# KiCad board main.kicad_pcb (continued)
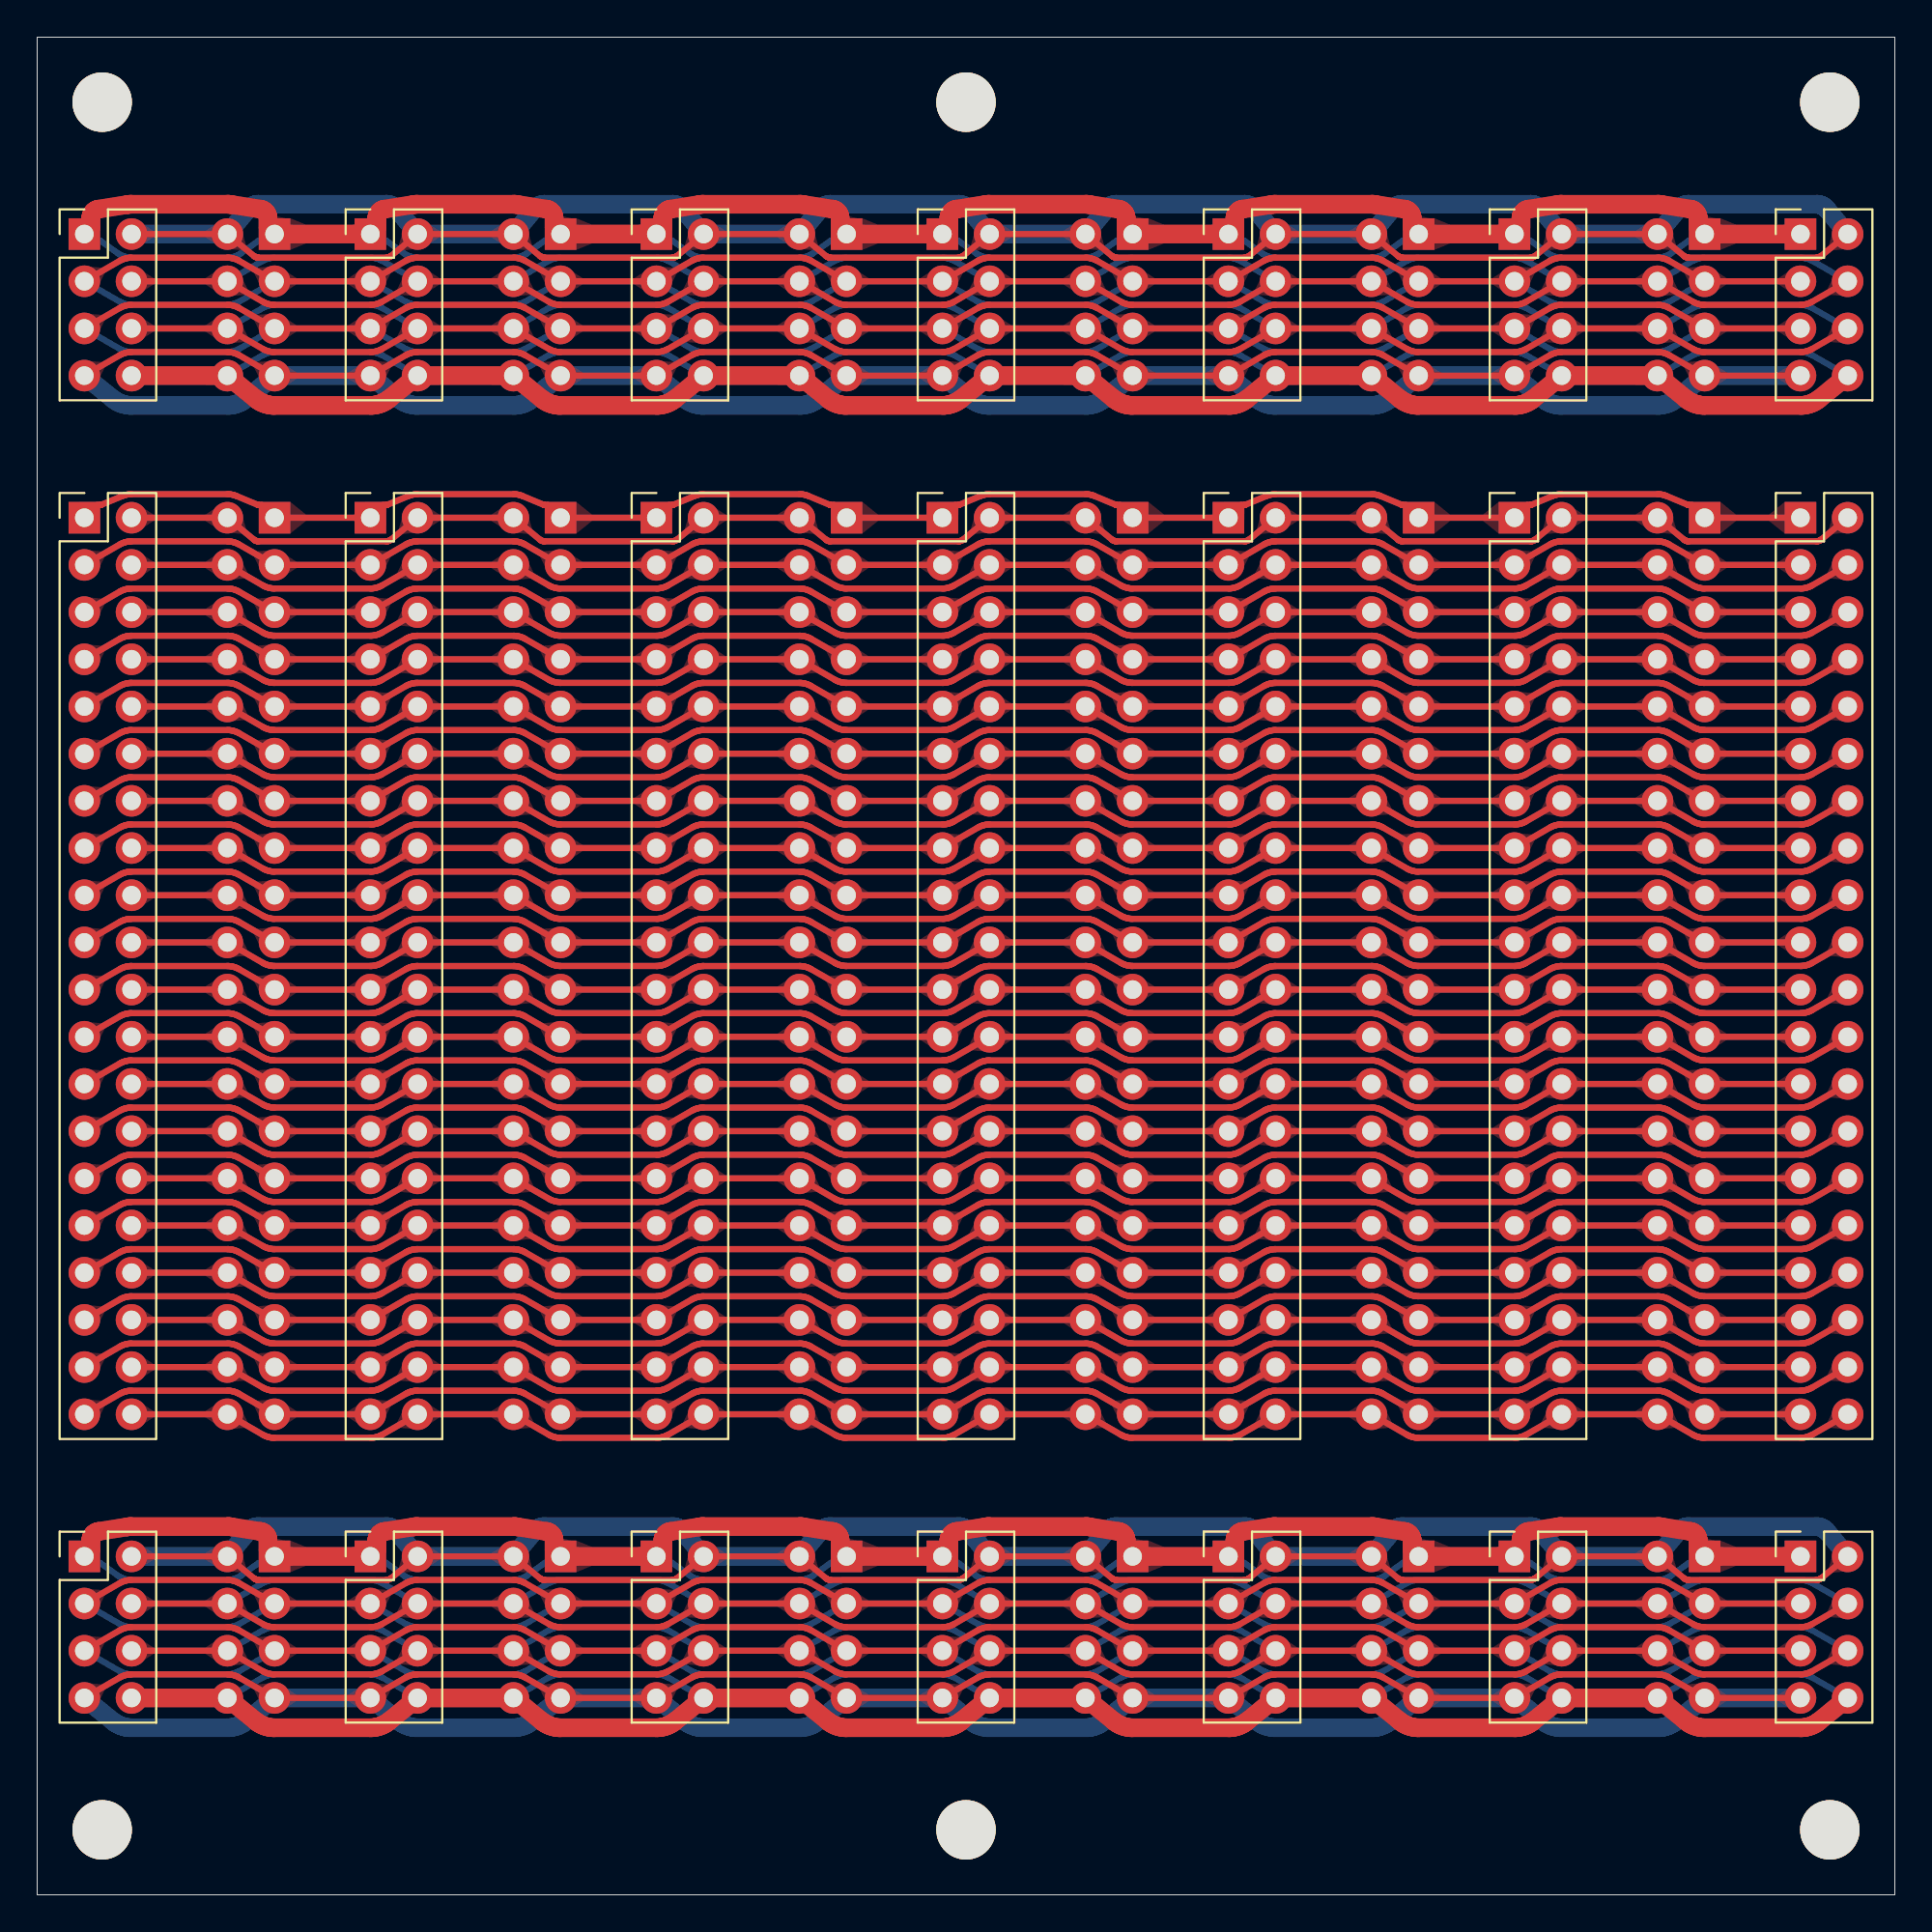
[diagram p0: board, top side]
## Routing (per net, layer and track width the routed paths; a pad name or vN(x,y) marks a point on that pad's centre or on a via; arc(x,y) is an arc through that point) (continued)
F_A9: length 192.5
  Top w0.33: J29.18 95.55,52.71 95.5,52.68 95.45,52.66 95.39,52.63 95.34,52.61 95.28,52.59 95.22,52.58 95.16,52.56 95.1,52.55 95.04,52.55 94.98,52.54 94.92,52.54 89.76,52.54 89.7,52.54 89.64,52.55 89.58,52.55 89.52,52.56 89.46,52.58 89.4,52.59 89.35,52.61 89.29,52.63 89.23,52.66 89.18,52.68 89.13,52.71 J10.18 J30.18 80.16,52.71 80.1,52.68 80.05,52.66 79.99,52.63 79.94,52.61 79.88,52.59 79.82,52.58 79.76,52.56 79.7,52.55 79.64,52.55 79.58,52.54 79.52,52.54 74.36,52.54 74.3,52.54 74.24,52.55 74.18,52.55 74.12,52.56 74.07,52.58 74.01,52.59 73.95,52.61 73.89,52.63 73.84,52.66 73.78,52.68 73.73,52.71 J38.18 J25.18 64.76,52.71 64.71,52.68 64.65,52.66 64.6,52.63 64.54,52.61 64.48,52.59 64.43,52.58 64.37,52.56 64.31,52.55 64.25,52.55 64.19,52.54 64.13,52.54 58.97,52.54 58.91,52.54 58.85,52.55 58.79,52.55 58.73,52.56 58.67,52.58 58.61,52.59 58.55,52.61 58.5,52.63 58.44,52.66 58.39,52.68 58.33,52.71 J27.18 J11.18 49.36,52.71 49.31,52.68 49.26,52.66 49.2,52.63 49.15,52.61 49.09,52.59 49.03,52.58 48.97,52.56 48.91,52.55 48.85,52.55 48.79,52.54 48.73,52.54 43.57,52.54 43.51,52.54 43.45,52.55 43.39,52.55 43.33,52.56 43.27,52.58 43.21,52.59 43.16,52.61 43.1,52.63 43.04,52.66 42.99,52.68 42.94,52.71 J28.18 J13.18 33.97,52.71 33.91,52.68 33.86,52.66 33.8,52.63 33.75,52.61 33.69,52.59 33.63,52.58 33.57,52.56 33.51,52.55 33.45,52.55 33.39,52.54 33.33,52.54 28.17,52.54 28.11,52.54 28.05,52.55 27.99,52.55 27.93,52.56 27.88,52.58 27.82,52.59 27.76,52.61 27.7,52.63 27.65,52.66 27.59,52.68 27.54,52.71 J9.18 J12.18 18.57,52.71 18.52,52.68 18.46,52.66 18.41,52.63 18.35,52.61 18.29,52.59 18.24,52.58 18.18,52.56 18.12,52.55 18.06,52.55 18,52.54 17.94,52.54 12.78,52.54 12.72,52.54 12.66,52.55 12.6,52.55 12.54,52.56 12.48,52.58 12.42,52.59 12.36,52.61 12.31,52.63 12.25,52.66 12.2,52.68 12.14,52.71 J26.18 J3.18
  Bottom w0.33: J29.18 95.55,52.71 95.5,52.68 95.45,52.66 95.39,52.63 95.34,52.61 95.28,52.59 95.22,52.58 95.16,52.56 95.1,52.55 95.04,52.55 94.98,52.54 94.92,52.54 89.76,52.54 89.7,52.54 89.64,52.55 89.58,52.55 89.52,52.56 89.46,52.58 89.4,52.59 89.35,52.61 89.29,52.63 89.23,52.66 89.18,52.68 89.13,52.71 J10.18 J30.18 80.16,52.71 80.1,52.68 80.05,52.66 79.99,52.63 79.94,52.61 79.88,52.59 79.82,52.58 79.76,52.56 79.7,52.55 79.64,52.55 79.58,52.54 79.52,52.54 74.36,52.54 74.3,52.54 74.24,52.55 74.18,52.55 74.12,52.56 74.07,52.58 74.01,52.59 73.95,52.61 73.89,52.63 73.84,52.66 73.78,52.68 73.73,52.71 J38.18 J25.18 64.76,52.71 64.71,52.68 64.65,52.66 64.6,52.63 64.54,52.61 64.48,52.59 64.43,52.58 64.37,52.56 64.31,52.55 64.25,52.55 64.19,52.54 64.13,52.54 58.97,52.54 58.91,52.54 58.85,52.55 58.79,52.55 58.73,52.56 58.67,52.58 58.61,52.59 58.55,52.61 58.5,52.63 58.44,52.66 58.39,52.68 58.33,52.71 J27.18 J11.18 49.36,52.71 49.31,52.68 49.26,52.66 49.2,52.63 49.15,52.61 49.09,52.59 49.03,52.58 48.97,52.56 48.91,52.55 48.85,52.55 48.79,52.54 48.73,52.54 43.57,52.54 43.51,52.54 43.45,52.55 43.39,52.55 43.33,52.56 43.27,52.58 43.21,52.59 43.16,52.61 43.1,52.63 43.04,52.66 42.99,52.68 42.94,52.71 J28.18 J13.18 33.97,52.71 33.91,52.68 33.86,52.66 33.8,52.63 33.75,52.61 33.69,52.59 33.63,52.58 33.57,52.56 33.51,52.55 33.45,52.55 33.39,52.54 33.33,52.54 28.17,52.54 28.11,52.54 28.05,52.55 27.99,52.55 27.93,52.56 27.88,52.58 27.82,52.59 27.76,52.61 27.7,52.63 27.65,52.66 27.59,52.68 27.54,52.71 J9.18 J12.18 18.57,52.71 18.52,52.68 18.46,52.66 18.41,52.63 18.35,52.61 18.29,52.59 18.24,52.58 18.18,52.56 18.12,52.55 18.06,52.55 18,52.54 17.94,52.54 12.78,52.54 12.72,52.54 12.66,52.55 12.6,52.55 12.54,52.56 12.48,52.58 12.42,52.59 12.36,52.61 12.31,52.63 12.25,52.66 12.2,52.68 12.14,52.71 J26.18 J3.18
F_A10: length 192.5
  Top w0.33: J29.3 J10.3 87.86,72.69 87.8,72.72 87.75,72.74 87.69,72.77 87.64,72.79 87.58,72.81 87.52,72.82 87.46,72.84 87.4,72.85 87.34,72.85 87.28,72.86 87.22,72.86 82.06,72.86 82,72.86 81.94,72.85 81.88,72.85 81.82,72.84 81.76,72.82 81.71,72.81 81.65,72.79 81.59,72.77 81.54,72.74 81.48,72.72 81.43,72.69 J30.3 J38.3 72.46,72.69 72.41,72.72 72.35,72.74 72.3,72.77 72.24,72.79 72.18,72.81 72.12,72.82 72.07,72.84 72.01,72.85 71.95,72.85 71.89,72.86 71.83,72.86 66.67,72.86 66.61,72.86 66.55,72.85 66.49,72.85 66.43,72.84 66.37,72.82 66.31,72.81 66.25,72.79 66.2,72.77 66.14,72.74 66.09,72.72 66.03,72.69 J25.3 J27.3 57.06,72.69 57.01,72.72 56.96,72.74 56.9,72.77 56.84,72.79 56.79,72.81 56.73,72.82 56.67,72.84 56.61,72.85 56.55,72.85 56.49,72.86 56.43,72.86 51.27,72.86 51.21,72.86 51.15,72.85 51.09,72.85 51.03,72.84 50.97,72.82 50.91,72.81 50.85,72.79 50.8,72.77 50.74,72.74 50.69,72.72 50.64,72.69 J11.3 J28.3 41.67,72.69 41.61,72.72 41.56,72.74 41.5,72.77 41.45,72.79 41.39,72.81 41.33,72.82 41.27,72.84 41.21,72.85 41.15,72.85 41.09,72.86 41.03,72.86 35.87,72.86 35.81,72.86 35.75,72.85 35.69,72.85 35.63,72.84 35.57,72.82 35.52,72.81 35.46,72.79 35.4,72.77 35.35,72.74 35.29,72.72 35.24,72.69 J13.3 J9.3 26.27,72.69 26.22,72.72 26.16,72.74 26.11,72.77 26.05,72.79 25.99,72.81 25.93,72.82 25.88,72.84 25.82,72.85 25.76,72.85 25.7,72.86 25.63,72.86 20.48,72.86 20.42,72.86 20.36,72.85 20.3,72.85 20.24,72.84 20.18,72.82 20.12,72.81 20.06,72.79 20.01,72.77 19.95,72.74 19.9,72.72 19.84,72.69 J12.3 J26.3 10.87,72.69 10.82,72.72 10.77,72.74 10.71,72.77 10.65,72.79 10.6,72.81 10.54,72.82 10.48,72.84 10.42,72.85 10.36,72.85 10.3,72.86 10.24,72.86 5.08,72.86 5.02,72.86 4.96,72.85 4.9,72.85 4.84,72.84 4.78,72.82 4.72,72.81 4.66,72.79 4.61,72.77 4.55,72.74 4.5,72.72 4.45,72.69 J3.3
  Bottom w0.33: J3.3 4.45,72.69 4.5,72.72 4.55,72.74 4.61,72.77 4.66,72.79 4.72,72.81 4.78,72.82 4.84,72.84 4.9,72.85 4.96,72.85 5.02,72.86 5.08,72.86 10.24,72.86 10.3,72.86 10.36,72.85 10.42,72.85 10.48,72.84 10.54,72.82 10.6,72.81 10.65,72.79 10.71,72.77 10.77,72.74 10.82,72.72 10.87,72.69 J26.3 J12.3 19.84,72.69 19.9,72.72 19.95,72.74 20.01,72.77 20.06,72.79 20.12,72.81 20.18,72.82 20.24,72.84 20.3,72.85 20.36,72.85 20.42,72.86 20.48,72.86 25.63,72.86 25.7,72.86 25.76,72.85 25.82,72.85 25.88,72.84 25.93,72.82 25.99,72.81 26.05,72.79 26.11,72.77 26.16,72.74 26.22,72.72 26.27,72.69 J9.3 J13.3 35.24,72.69 35.29,72.72 35.35,72.74 35.4,72.77 35.46,72.79 35.52,72.81 35.57,72.82 35.63,72.84 35.69,72.85 35.75,72.85 35.81,72.86 35.87,72.86 41.03,72.86 41.09,72.86 41.15,72.85 41.21,72.85 41.27,72.84 41.33,72.82 41.39,72.81 41.45,72.79 41.5,72.77 41.56,72.74 41.61,72.72 41.67,72.69 J28.3 J11.3 50.64,72.69 50.69,72.72 50.74,72.74 50.8,72.77 50.85,72.79 50.91,72.81 50.97,72.82 51.03,72.84 51.09,72.85 51.15,72.85 51.21,72.86 51.27,72.86 56.43,72.86 56.49,72.86 56.55,72.85 56.61,72.85 56.67,72.84 56.73,72.82 56.79,72.81 56.84,72.79 56.9,72.77 56.96,72.74 57.01,72.72 57.06,72.69 J27.3 J25.3 66.03,72.69 66.09,72.72 66.14,72.74 66.2,72.77 66.25,72.79 66.31,72.81 66.37,72.82 66.43,72.84 66.49,72.85 66.55,72.85 66.61,72.86 66.67,72.86 71.83,72.86 71.89,72.86 71.95,72.85 72.01,72.85 72.07,72.84 72.12,72.82 72.18,72.81 72.24,72.79 72.3,72.77 72.35,72.74 72.41,72.72 72.46,72.69 J38.3 J30.3 81.43,72.69 81.48,72.72 81.54,72.74 81.59,72.77 81.65,72.79 81.71,72.81 81.76,72.82 81.82,72.84 81.88,72.85 81.94,72.85 82,72.86 82.06,72.86 87.22,72.86 87.28,72.86 87.34,72.85 87.4,72.85 87.46,72.84 87.52,72.82 87.58,72.81 87.64,72.79 87.69,72.77 87.75,72.74 87.8,72.72 87.86,72.69 J10.3 J29.3
F_A11: length 192.5
  Top w0.33: J29.10 95.55,62.87 95.5,62.84 95.45,62.82 95.39,62.79 95.34,62.77 95.28,62.75 95.22,62.74 95.16,62.72 95.1,62.71 95.04,62.71 94.98,62.7 94.92,62.7 89.76,62.7 89.7,62.7 89.64,62.71 89.58,62.71 89.52,62.72 89.46,62.74 89.4,62.75 89.35,62.77 89.29,62.79 89.23,62.82 89.18,62.84 89.13,62.87 J10.10 J30.10 80.16,62.87 80.1,62.84 80.05,62.82 79.99,62.79 79.94,62.77 79.88,62.75 79.82,62.74 79.76,62.72 79.7,62.71 79.64,62.71 79.58,62.7 79.52,62.7 74.36,62.7 74.3,62.7 74.24,62.71 74.18,62.71 74.12,62.72 74.07,62.74 74.01,62.75 73.95,62.77 73.89,62.79 73.84,62.82 73.78,62.84 73.73,62.87 J38.10 J25.10 64.76,62.87 64.71,62.84 64.65,62.82 64.6,62.79 64.54,62.77 64.48,62.75 64.43,62.74 64.37,62.72 64.31,62.71 64.25,62.71 64.19,62.7 64.13,62.7 58.97,62.7 58.91,62.7 58.85,62.71 58.79,62.71 58.73,62.72 58.67,62.74 58.61,62.75 58.55,62.77 58.5,62.79 58.44,62.82 58.39,62.84 58.33,62.87 J27.10 J11.10 49.36,62.87 49.31,62.84 49.26,62.82 49.2,62.79 49.15,62.77 49.09,62.75 49.03,62.74 48.97,62.72 48.91,62.71 48.85,62.71 48.79,62.7 48.73,62.7 43.57,62.7 43.51,62.7 43.45,62.71 43.39,62.71 43.33,62.72 43.27,62.74 43.21,62.75 43.16,62.77 43.1,62.79 43.04,62.82 42.99,62.84 42.94,62.87 J28.10 J13.10 33.97,62.87 33.91,62.84 33.86,62.82 33.8,62.79 33.75,62.77 33.69,62.75 33.63,62.74 33.57,62.72 33.51,62.71 33.45,62.71 33.39,62.7 33.33,62.7 28.17,62.7 28.11,62.7 28.05,62.71 27.99,62.71 27.93,62.72 27.88,62.74 27.82,62.75 27.76,62.77 27.7,62.79 27.65,62.82 27.59,62.84 27.54,62.87 J9.10 J12.10 18.57,62.87 18.52,62.84 18.46,62.82 18.41,62.79 18.35,62.77 18.29,62.75 18.24,62.74 18.18,62.72 18.12,62.71 18.06,62.71 18,62.7 17.94,62.7 12.78,62.7 12.72,62.7 12.66,62.71 12.6,62.71 12.54,62.72 12.48,62.74 12.42,62.75 12.36,62.77 12.31,62.79 12.25,62.82 12.2,62.84 12.14,62.87 J26.10 J3.10
  Bottom w0.33: J3.10 J26.10 12.14,62.87 12.2,62.84 12.25,62.82 12.31,62.79 12.36,62.77 12.42,62.75 12.48,62.74 12.54,62.72 12.6,62.71 12.66,62.71 12.72,62.7 12.78,62.7 17.94,62.7 18,62.7 18.06,62.71 18.12,62.71 18.18,62.72 18.24,62.74 18.29,62.75 18.35,62.77 18.41,62.79 18.46,62.82 18.52,62.84 18.57,62.87 J12.10 J9.10 27.54,62.87 27.59,62.84 27.65,62.82 27.7,62.79 27.76,62.77 27.82,62.75 27.88,62.74 27.93,62.72 27.99,62.71 28.05,62.71 28.11,62.7 28.17,62.7 33.33,62.7 33.39,62.7 33.45,62.71 33.51,62.71 33.57,62.72 33.63,62.74 33.69,62.75 33.75,62.77 33.8,62.79 33.86,62.82 33.91,62.84 33.97,62.87 J13.10 J28.10 42.94,62.87 42.99,62.84 43.04,62.82 43.1,62.79 43.16,62.77 43.21,62.75 43.27,62.74 43.33,62.72 43.39,62.71 43.45,62.71 43.51,62.7 43.57,62.7 48.73,62.7 48.79,62.7 48.85,62.71 48.91,62.71 48.97,62.72 49.03,62.74 49.09,62.75 49.15,62.77 49.2,62.79 49.26,62.82 49.31,62.84 49.36,62.87 J11.10 J27.10 58.33,62.87 58.39,62.84 58.44,62.82 58.5,62.79 58.55,62.77 58.61,62.75 58.67,62.74 58.73,62.72 58.79,62.71 58.85,62.71 58.91,62.7 58.97,62.7 64.13,62.7 64.19,62.7 64.25,62.71 64.31,62.71 64.37,62.72 64.43,62.74 64.48,62.75 64.54,62.77 64.6,62.79 64.65,62.82 64.71,62.84 64.76,62.87 J25.10 J38.10 73.73,62.87 73.78,62.84 73.84,62.82 73.89,62.79 73.95,62.77 74.01,62.75 74.07,62.74 74.12,62.72 74.18,62.71 74.24,62.71 74.3,62.7 74.36,62.7 79.52,62.7 79.58,62.7 79.64,62.71 79.7,62.71 79.76,62.72 79.82,62.74 79.88,62.75 79.94,62.77 79.99,62.79 80.05,62.82 80.1,62.84 80.16,62.87 J30.10 J10.10 89.13,62.87 89.18,62.84 89.23,62.82 89.29,62.79 89.35,62.77 89.4,62.75 89.46,62.74 89.52,62.72 89.58,62.71 89.64,62.71 89.7,62.7 89.76,62.7 94.92,62.7 94.98,62.7 95.04,62.71 95.1,62.71 95.16,62.72 95.22,62.74 95.28,62.75 95.34,62.77 95.39,62.79 95.45,62.82 95.5,62.84 95.55,62.87 J29.10
F_A12: length 192.5
  Top w0.33: J29.6 95.55,67.95 95.5,67.92 95.45,67.9 95.39,67.87 95.34,67.85 95.28,67.83 95.22,67.82 95.16,67.8 95.1,67.79 95.04,67.79 94.98,67.78 94.92,67.78 89.76,67.78 89.7,67.78 89.64,67.79 89.58,67.79 89.52,67.8 89.46,67.82 89.4,67.83 89.35,67.85 89.29,67.87 89.23,67.9 89.18,67.92 89.13,67.95 J10.6 J30.6 80.16,67.95 80.1,67.92 80.05,67.9 79.99,67.87 79.94,67.85 79.88,67.83 79.82,67.82 79.76,67.8 79.7,67.79 79.64,67.79 79.58,67.78 79.52,67.78 74.36,67.78 74.3,67.78 74.24,67.79 74.18,67.79 74.12,67.8 74.07,67.82 74.01,67.83 73.95,67.85 73.89,67.87 73.84,67.9 73.78,67.92 73.73,67.95 J38.6 J25.6 64.76,67.95 64.71,67.92 64.65,67.9 64.6,67.87 64.54,67.85 64.48,67.83 64.43,67.82 64.37,67.8 64.31,67.79 64.25,67.79 64.19,67.78 64.13,67.78 58.97,67.78 58.91,67.78 58.85,67.79 58.79,67.79 58.73,67.8 58.67,67.82 58.61,67.83 58.55,67.85 58.5,67.87 58.44,67.9 58.39,67.92 58.33,67.95 J27.6 J11.6 49.36,67.95 49.31,67.92 49.26,67.9 49.2,67.87 49.15,67.85 49.09,67.83 49.03,67.82 48.97,67.8 48.91,67.79 48.85,67.79 48.79,67.78 48.73,67.78 43.57,67.78 43.51,67.78 43.45,67.79 43.39,67.79 43.33,67.8 43.27,67.82 43.21,67.83 43.16,67.85 43.1,67.87 43.04,67.9 42.99,67.92 42.94,67.95 J28.6 J13.6 33.97,67.95 33.91,67.92 33.86,67.9 33.8,67.87 33.75,67.85 33.69,67.83 33.63,67.82 33.57,67.8 33.51,67.79 33.45,67.79 33.39,67.78 33.33,67.78 28.17,67.78 28.11,67.78 28.05,67.79 27.99,67.79 27.93,67.8 27.88,67.82 27.82,67.83 27.76,67.85 27.7,67.87 27.65,67.9 27.59,67.92 27.54,67.95 J9.6 J12.6 18.57,67.95 18.52,67.92 18.46,67.9 18.41,67.87 18.35,67.85 18.29,67.83 18.24,67.82 18.18,67.8 18.12,67.79 18.06,67.79 18,67.78 17.94,67.78 12.78,67.78 12.72,67.78 12.66,67.79 12.6,67.79 12.54,67.8 12.48,67.82 12.42,67.83 12.36,67.85 12.31,67.87 12.25,67.9 12.2,67.92 12.14,67.95 J26.6 J3.6
  Bottom w0.33: J3.6 J26.6 12.14,67.95 12.2,67.92 12.25,67.9 12.31,67.87 12.36,67.85 12.42,67.83 12.48,67.82 12.54,67.8 12.6,67.79 12.66,67.79 12.72,67.78 12.78,67.78 17.94,67.78 18,67.78 18.06,67.79 18.12,67.79 18.18,67.8 18.24,67.82 18.29,67.83 18.35,67.85 18.41,67.87 18.46,67.9 18.52,67.92 18.57,67.95 J12.6 J9.6 27.54,67.95 27.59,67.92 27.65,67.9 27.7,67.87 27.76,67.85 27.82,67.83 27.88,67.82 27.93,67.8 27.99,67.79 28.05,67.79 28.11,67.78 28.17,67.78 33.33,67.78 33.39,67.78 33.45,67.79 33.51,67.79 33.57,67.8 33.63,67.82 33.69,67.83 33.75,67.85 33.8,67.87 33.86,67.9 33.91,67.92 33.97,67.95 J13.6 J28.6 42.94,67.95 42.99,67.92 43.04,67.9 43.1,67.87 43.16,67.85 43.21,67.83 43.27,67.82 43.33,67.8 43.39,67.79 43.45,67.79 43.51,67.78 43.57,67.78 48.73,67.78 48.79,67.78 48.85,67.79 48.91,67.79 48.97,67.8 49.03,67.82 49.09,67.83 49.15,67.85 49.2,67.87 49.26,67.9 49.31,67.92 49.36,67.95 J11.6 J27.6 58.33,67.95 58.39,67.92 58.44,67.9 58.5,67.87 58.55,67.85 58.61,67.83 58.67,67.82 58.73,67.8 58.79,67.79 58.85,67.79 58.91,67.78 58.97,67.78 64.13,67.78 64.19,67.78 64.25,67.79 64.31,67.79 64.37,67.8 64.43,67.82 64.48,67.83 64.54,67.85 64.6,67.87 64.65,67.9 64.71,67.92 64.76,67.95 J25.6 J38.6 73.73,67.95 73.78,67.92 73.84,67.9 73.89,67.87 73.95,67.85 74.01,67.83 74.07,67.82 74.12,67.8 74.18,67.79 74.24,67.79 74.3,67.78 74.36,67.78 79.52,67.78 79.58,67.78 79.64,67.79 79.7,67.79 79.76,67.8 79.82,67.82 79.88,67.83 79.94,67.85 79.99,67.87 80.05,67.9 80.1,67.92 80.16,67.95 J30.6 J10.6 89.13,67.95 89.18,67.92 89.23,67.9 89.29,67.87 89.35,67.85 89.4,67.83 89.46,67.82 89.52,67.8 89.58,67.79 89.64,67.79 89.7,67.78 89.76,67.78 94.92,67.78 94.98,67.78 95.04,67.79 95.1,67.79 95.16,67.8 95.22,67.82 95.28,67.83 95.34,67.85 95.39,67.87 95.45,67.9 95.5,67.92 95.55,67.95 J29.6
F_A13: length 192.5
  Top w0.33: J3.5 4.45,70.15 4.5,70.18 4.55,70.2 4.61,70.23 4.66,70.25 4.72,70.27 4.78,70.28 4.84,70.3 4.9,70.31 4.96,70.31 5.02,70.32 5.08,70.32 10.24,70.32 10.3,70.32 10.36,70.31 10.42,70.31 10.48,70.3 10.54,70.28 10.6,70.27 10.65,70.25 10.71,70.23 10.77,70.2 10.82,70.18 10.87,70.15 J26.5 J12.5 19.84,70.15 19.9,70.18 19.95,70.2 20.01,70.23 20.06,70.25 20.12,70.27 20.18,70.28 20.24,70.3 20.3,70.31 20.36,70.31 20.42,70.32 20.48,70.32 25.63,70.32 25.7,70.32 25.76,70.31 25.82,70.31 25.88,70.3 25.93,70.28 25.99,70.27 26.05,70.25 26.11,70.23 26.16,70.2 26.22,70.18 26.27,70.15 J9.5 J13.5 35.24,70.15 35.29,70.18 35.35,70.2 35.4,70.23 35.46,70.25 35.52,70.27 35.57,70.28 35.63,70.3 35.69,70.31 35.75,70.31 35.81,70.32 35.87,70.32 41.03,70.32 41.09,70.32 41.15,70.31 41.21,70.31 41.27,70.3 41.33,70.28 41.39,70.27 41.45,70.25 41.5,70.23 41.56,70.2 41.61,70.18 41.67,70.15 J28.5 J11.5 50.64,70.15 50.69,70.18 50.74,70.2 50.8,70.23 50.85,70.25 50.91,70.27 50.97,70.28 51.03,70.3 51.09,70.31 51.15,70.31 51.21,70.32 51.27,70.32 56.43,70.32 56.49,70.32 56.55,70.31 56.61,70.31 56.67,70.3 56.73,70.28 56.79,70.27 56.84,70.25 56.9,70.23 56.96,70.2 57.01,70.18 57.06,70.15 J27.5 J25.5 66.03,70.15 66.09,70.18 66.14,70.2 66.2,70.23 66.25,70.25 66.31,70.27 66.37,70.28 66.43,70.3 66.49,70.31 66.55,70.31 66.61,70.32 66.67,70.32 71.83,70.32 71.89,70.32 71.95,70.31 72.01,70.31 72.07,70.3 72.12,70.28 72.18,70.27 72.24,70.25 72.3,70.23 72.35,70.2 72.41,70.18 72.46,70.15 J38.5 J30.5 81.43,70.15 81.48,70.18 81.54,70.2 81.59,70.23 81.65,70.25 81.71,70.27 81.76,70.28 81.82,70.3 81.88,70.31 81.94,70.31 82,70.32 82.06,70.32 87.22,70.32 87.28,70.32 87.34,70.31 87.4,70.31 87.46,70.3 87.52,70.28 87.58,70.27 87.64,70.25 87.69,70.23 87.75,70.2 87.8,70.18 87.86,70.15 J10.5 J29.5
  Bottom w0.33: J3.5 4.45,70.15 4.5,70.18 4.55,70.2 4.61,70.23 4.66,70.25 4.72,70.27 4.78,70.28 4.84,70.3 4.9,70.31 4.96,70.31 5.02,70.32 5.08,70.32 10.24,70.32 10.3,70.32 10.36,70.31 10.42,70.31 10.48,70.3 10.54,70.28 10.6,70.27 10.65,70.25 10.71,70.23 10.77,70.2 10.82,70.18 10.87,70.15 J26.5 J12.5 19.84,70.15 19.9,70.18 19.95,70.2 20.01,70.23 20.06,70.25 20.12,70.27 20.18,70.28 20.24,70.3 20.3,70.31 20.36,70.31 20.42,70.32 20.48,70.32 25.63,70.32 25.7,70.32 25.76,70.31 25.82,70.31 25.88,70.3 25.93,70.28 25.99,70.27 26.05,70.25 26.11,70.23 26.16,70.2 26.22,70.18 26.27,70.15 J9.5 J13.5 35.24,70.15 35.29,70.18 35.35,70.2 35.4,70.23 35.46,70.25 35.52,70.27 35.57,70.28 35.63,70.3 35.69,70.31 35.75,70.31 35.81,70.32 35.87,70.32 41.03,70.32 41.09,70.32 41.15,70.31 41.21,70.31 41.27,70.3 41.33,70.28 41.39,70.27 41.45,70.25 41.5,70.23 41.56,70.2 41.61,70.18 41.67,70.15 J28.5 J11.5 50.64,70.15 50.69,70.18 50.74,70.2 50.8,70.23 50.85,70.25 50.91,70.27 50.97,70.28 51.03,70.3 51.09,70.31 51.15,70.31 51.21,70.32 51.27,70.32 56.43,70.32 56.49,70.32 56.55,70.31 56.61,70.31 56.67,70.3 56.73,70.28 56.79,70.27 56.84,70.25 56.9,70.23 56.96,70.2 57.01,70.18 57.06,70.15 J27.5 J25.5 66.03,70.15 66.09,70.18 66.14,70.2 66.2,70.23 66.25,70.25 66.31,70.27 66.37,70.28 66.43,70.3 66.49,70.31 66.55,70.31 66.61,70.32 66.67,70.32 71.83,70.32 71.89,70.32 71.95,70.31 72.01,70.31 72.07,70.3 72.12,70.28 72.18,70.27 72.24,70.25 72.3,70.23 72.35,70.2 72.41,70.18 72.46,70.15 J38.5 J30.5 81.43,70.15 81.48,70.18 81.54,70.2 81.59,70.23 81.65,70.25 81.71,70.27 81.76,70.28 81.82,70.3 81.88,70.31 81.94,70.31 82,70.32 82.06,70.32 87.22,70.32 87.28,70.32 87.34,70.31 87.4,70.31 87.46,70.3 87.52,70.28 87.58,70.27 87.64,70.25 87.69,70.23 87.75,70.2 87.8,70.18 87.86,70.15 J10.5 J29.5
F_A14: length 192.5
  Top w0.33: J3.9 4.45,65.07 4.5,65.1 4.55,65.12 4.61,65.15 4.66,65.17 4.72,65.19 4.78,65.2 4.84,65.22 4.9,65.23 4.96,65.23 5.02,65.24 5.08,65.24 10.24,65.24 10.3,65.24 10.36,65.23 10.42,65.23 10.48,65.22 10.54,65.2 10.6,65.19 10.65,65.17 10.71,65.15 10.77,65.12 10.82,65.1 10.87,65.07 J26.9 J12.9 19.84,65.07 19.9,65.1 19.95,65.12 20.01,65.15 20.06,65.17 20.12,65.19 20.18,65.2 20.24,65.22 20.3,65.23 20.36,65.23 20.42,65.24 20.48,65.24 25.63,65.24 25.7,65.24 25.76,65.23 25.82,65.23 25.88,65.22 25.93,65.2 25.99,65.19 26.05,65.17 26.11,65.15 26.16,65.12 26.22,65.1 26.27,65.07 J9.9 J13.9 35.24,65.07 35.29,65.1 35.35,65.12 35.4,65.15 35.46,65.17 35.52,65.19 35.57,65.2 35.63,65.22 35.69,65.23 35.75,65.23 35.81,65.24 35.87,65.24 41.03,65.24 41.09,65.24 41.15,65.23 41.21,65.23 41.27,65.22 41.33,65.2 41.39,65.19 41.45,65.17 41.5,65.15 41.56,65.12 41.61,65.1 41.67,65.07 J28.9 J11.9 50.64,65.07 50.69,65.1 50.74,65.12 50.8,65.15 50.85,65.17 50.91,65.19 50.97,65.2 51.03,65.22 51.09,65.23 51.15,65.23 51.21,65.24 51.27,65.24 56.43,65.24 56.49,65.24 56.55,65.23 56.61,65.23 56.67,65.22 56.73,65.2 56.79,65.19 56.84,65.17 56.9,65.15 56.96,65.12 57.01,65.1 57.06,65.07 J27.9 J25.9 66.03,65.07 66.09,65.1 66.14,65.12 66.2,65.15 66.25,65.17 66.31,65.19 66.37,65.2 66.43,65.22 66.49,65.23 66.55,65.23 66.61,65.24 66.67,65.24 71.83,65.24 71.89,65.24 71.95,65.23 72.01,65.23 72.07,65.22 72.12,65.2 72.18,65.19 72.24,65.17 72.3,65.15 72.35,65.12 72.41,65.1 72.46,65.07 J38.9 J30.9 81.43,65.07 81.48,65.1 81.54,65.12 81.59,65.15 81.65,65.17 81.71,65.19 81.76,65.2 81.82,65.22 81.88,65.23 81.94,65.23 82,65.24 82.06,65.24 87.22,65.24 87.28,65.24 87.34,65.23 87.4,65.23 87.46,65.22 87.52,65.2 87.58,65.19 87.64,65.17 87.69,65.15 87.75,65.12 87.8,65.1 87.86,65.07 J10.9 J29.9
  Bottom w0.33: J3.9 4.45,65.07 4.5,65.1 4.55,65.12 4.61,65.15 4.66,65.17 4.72,65.19 4.78,65.2 4.84,65.22 4.9,65.23 4.96,65.23 5.02,65.24 5.08,65.24 10.24,65.24 10.3,65.24 10.36,65.23 10.42,65.23 10.48,65.22 10.54,65.2 10.6,65.19 10.65,65.17 10.71,65.15 10.77,65.12 10.82,65.1 10.87,65.07 J26.9 J12.9 19.84,65.07 19.9,65.1 19.95,65.12 20.01,65.15 20.06,65.17 20.12,65.19 20.18,65.2 20.24,65.22 20.3,65.23 20.36,65.23 20.42,65.24 20.48,65.24 25.63,65.24 25.7,65.24 25.76,65.23 25.82,65.23 25.88,65.22 25.93,65.2 25.99,65.19 26.05,65.17 26.11,65.15 26.16,65.12 26.22,65.1 26.27,65.07 J9.9 J13.9 35.24,65.07 35.29,65.1 35.35,65.12 35.4,65.15 35.46,65.17 35.52,65.19 35.57,65.2 35.63,65.22 35.69,65.23 35.75,65.23 35.81,65.24 35.87,65.24 41.03,65.24 41.09,65.24 41.15,65.23 41.21,65.23 41.27,65.22 41.33,65.2 41.39,65.19 41.45,65.17 41.5,65.15 41.56,65.12 41.61,65.1 41.67,65.07 J28.9 J11.9 50.64,65.07 50.69,65.1 50.74,65.12 50.8,65.15 50.85,65.17 50.91,65.19 50.97,65.2 51.03,65.22 51.09,65.23 51.15,65.23 51.21,65.24 51.27,65.24 56.43,65.24 56.49,65.24 56.55,65.23 56.61,65.23 56.67,65.22 56.73,65.2 56.79,65.19 56.84,65.17 56.9,65.15 56.96,65.12 57.01,65.1 57.06,65.07 J27.9 J25.9 66.03,65.07 66.09,65.1 66.14,65.12 66.2,65.15 66.25,65.17 66.31,65.19 66.37,65.2 66.43,65.22 66.49,65.23 66.55,65.23 66.61,65.24 66.67,65.24 71.83,65.24 71.89,65.24 71.95,65.23 72.01,65.23 72.07,65.22 72.12,65.2 72.18,65.19 72.24,65.17 72.3,65.15 72.35,65.12 72.41,65.1 72.46,65.07 J38.9 J30.9 81.43,65.07 81.48,65.1 81.54,65.12 81.59,65.15 81.65,65.17 81.71,65.19 81.76,65.2 81.82,65.22 81.88,65.23 81.94,65.23 82,65.24 82.06,65.24 87.22,65.24 87.28,65.24 87.34,65.23 87.4,65.23 87.46,65.22 87.52,65.2 87.58,65.19 87.64,65.17 87.69,65.15 87.75,65.12 87.8,65.1 87.86,65.07 J10.9 J29.9
F_A15: length 192.5
  Top w0.33: J29.8 95.55,65.41 95.5,65.38 95.45,65.36 95.39,65.33 95.34,65.31 95.28,65.29 95.22,65.28 95.16,65.26 95.1,65.25 95.04,65.25 94.98,65.24 94.92,65.24 89.76,65.24 89.7,65.24 89.64,65.25 89.58,65.25 89.52,65.26 89.46,65.28 89.4,65.29 89.35,65.31 89.29,65.33 89.23,65.36 89.18,65.38 89.13,65.41 J10.8 J30.8 80.16,65.41 80.1,65.38 80.05,65.36 79.99,65.33 79.94,65.31 79.88,65.29 79.82,65.28 79.76,65.26 79.7,65.25 79.64,65.25 79.58,65.24 79.52,65.24 74.36,65.24 74.3,65.24 74.24,65.25 74.18,65.25 74.12,65.26 74.07,65.28 74.01,65.29 73.95,65.31 73.89,65.33 73.84,65.36 73.78,65.38 73.73,65.41 J38.8 J25.8 64.76,65.41 64.71,65.38 64.65,65.36 64.6,65.33 64.54,65.31 64.48,65.29 64.43,65.28 64.37,65.26 64.31,65.25 64.25,65.25 64.19,65.24 64.13,65.24 58.97,65.24 58.91,65.24 58.85,65.25 58.79,65.25 58.73,65.26 58.67,65.28 58.61,65.29 58.55,65.31 58.5,65.33 58.44,65.36 58.39,65.38 58.33,65.41 J27.8 J11.8 49.36,65.41 49.31,65.38 49.26,65.36 49.2,65.33 49.15,65.31 49.09,65.29 49.03,65.28 48.97,65.26 48.91,65.25 48.85,65.25 48.79,65.24 48.73,65.24 43.57,65.24 43.51,65.24 43.45,65.25 43.39,65.25 43.33,65.26 43.27,65.28 43.21,65.29 43.16,65.31 43.1,65.33 43.04,65.36 42.99,65.38 42.94,65.41 J28.8 J13.8 33.97,65.41 33.91,65.38 33.86,65.36 33.8,65.33 33.75,65.31 33.69,65.29 33.63,65.28 33.57,65.26 33.51,65.25 33.45,65.25 33.39,65.24 33.33,65.24 28.17,65.24 28.11,65.24 28.05,65.25 27.99,65.25 27.93,65.26 27.88,65.28 27.82,65.29 27.76,65.31 27.7,65.33 27.65,65.36 27.59,65.38 27.54,65.41 J9.8 J12.8 18.57,65.41 18.52,65.38 18.46,65.36 18.41,65.33 18.35,65.31 18.29,65.29 18.24,65.28 18.18,65.26 18.12,65.25 18.06,65.25 18,65.24 17.94,65.24 12.78,65.24 12.72,65.24 12.66,65.25 12.6,65.25 12.54,65.26 12.48,65.28 12.42,65.29 12.36,65.31 12.31,65.33 12.25,65.36 12.2,65.38 12.14,65.41 J26.8 J3.8
  Bottom w0.33: J29.8 95.55,65.41 95.5,65.38 95.45,65.36 95.39,65.33 95.34,65.31 95.28,65.29 95.22,65.28 95.16,65.26 95.1,65.25 95.04,65.25 94.98,65.24 94.92,65.24 89.76,65.24 89.7,65.24 89.64,65.25 89.58,65.25 89.52,65.26 89.46,65.28 89.4,65.29 89.35,65.31 89.29,65.33 89.23,65.36 89.18,65.38 89.13,65.41 J10.8 J30.8 80.16,65.41 80.1,65.38 80.05,65.36 79.99,65.33 79.94,65.31 79.88,65.29 79.82,65.28 79.76,65.26 79.7,65.25 79.64,65.25 79.58,65.24 79.52,65.24 74.36,65.24 74.3,65.24 74.24,65.25 74.18,65.25 74.12,65.26 74.07,65.28 74.01,65.29 73.95,65.31 73.89,65.33 73.84,65.36 73.78,65.38 73.73,65.41 J38.8 J25.8 64.76,65.41 64.71,65.38 64.65,65.36 64.6,65.33 64.54,65.31 64.48,65.29 64.43,65.28 64.37,65.26 64.31,65.25 64.25,65.25 64.19,65.24 64.13,65.24 58.97,65.24 58.91,65.24 58.85,65.25 58.79,65.25 58.73,65.26 58.67,65.28 58.61,65.29 58.55,65.31 58.5,65.33 58.44,65.36 58.39,65.38 58.33,65.41 J27.8 J11.8 49.36,65.41 49.31,65.38 49.26,65.36 49.2,65.33 49.15,65.31 49.09,65.29 49.03,65.28 48.97,65.26 48.91,65.25 48.85,65.25 48.79,65.24 48.73,65.24 43.57,65.24 43.51,65.24 43.45,65.25 43.39,65.25 43.33,65.26 43.27,65.28 43.21,65.29 43.16,65.31 43.1,65.33 43.04,65.36 42.99,65.38 42.94,65.41 J28.8 J13.8 33.97,65.41 33.91,65.38 33.86,65.36 33.8,65.33 33.75,65.31 33.69,65.29 33.63,65.28 33.57,65.26 33.51,65.25 33.45,65.25 33.39,65.24 33.33,65.24 28.17,65.24 28.11,65.24 28.05,65.25 27.99,65.25 27.93,65.26 27.88,65.28 27.82,65.29 27.76,65.31 27.7,65.33 27.65,65.36 27.59,65.38 27.54,65.41 J9.8 J12.8 18.57,65.41 18.52,65.38 18.46,65.36 18.41,65.33 18.35,65.31 18.29,65.29 18.24,65.28 18.18,65.26 18.12,65.25 18.06,65.25 18,65.24 17.94,65.24 12.78,65.24 12.72,65.24 12.66,65.25 12.6,65.25 12.54,65.26 12.48,65.28 12.42,65.29 12.36,65.31 12.31,65.33 12.25,65.36 12.2,65.38 12.14,65.41 J26.8 J3.8
